# Allegro board P2597_B04_Allegro_layout.brd (continued)
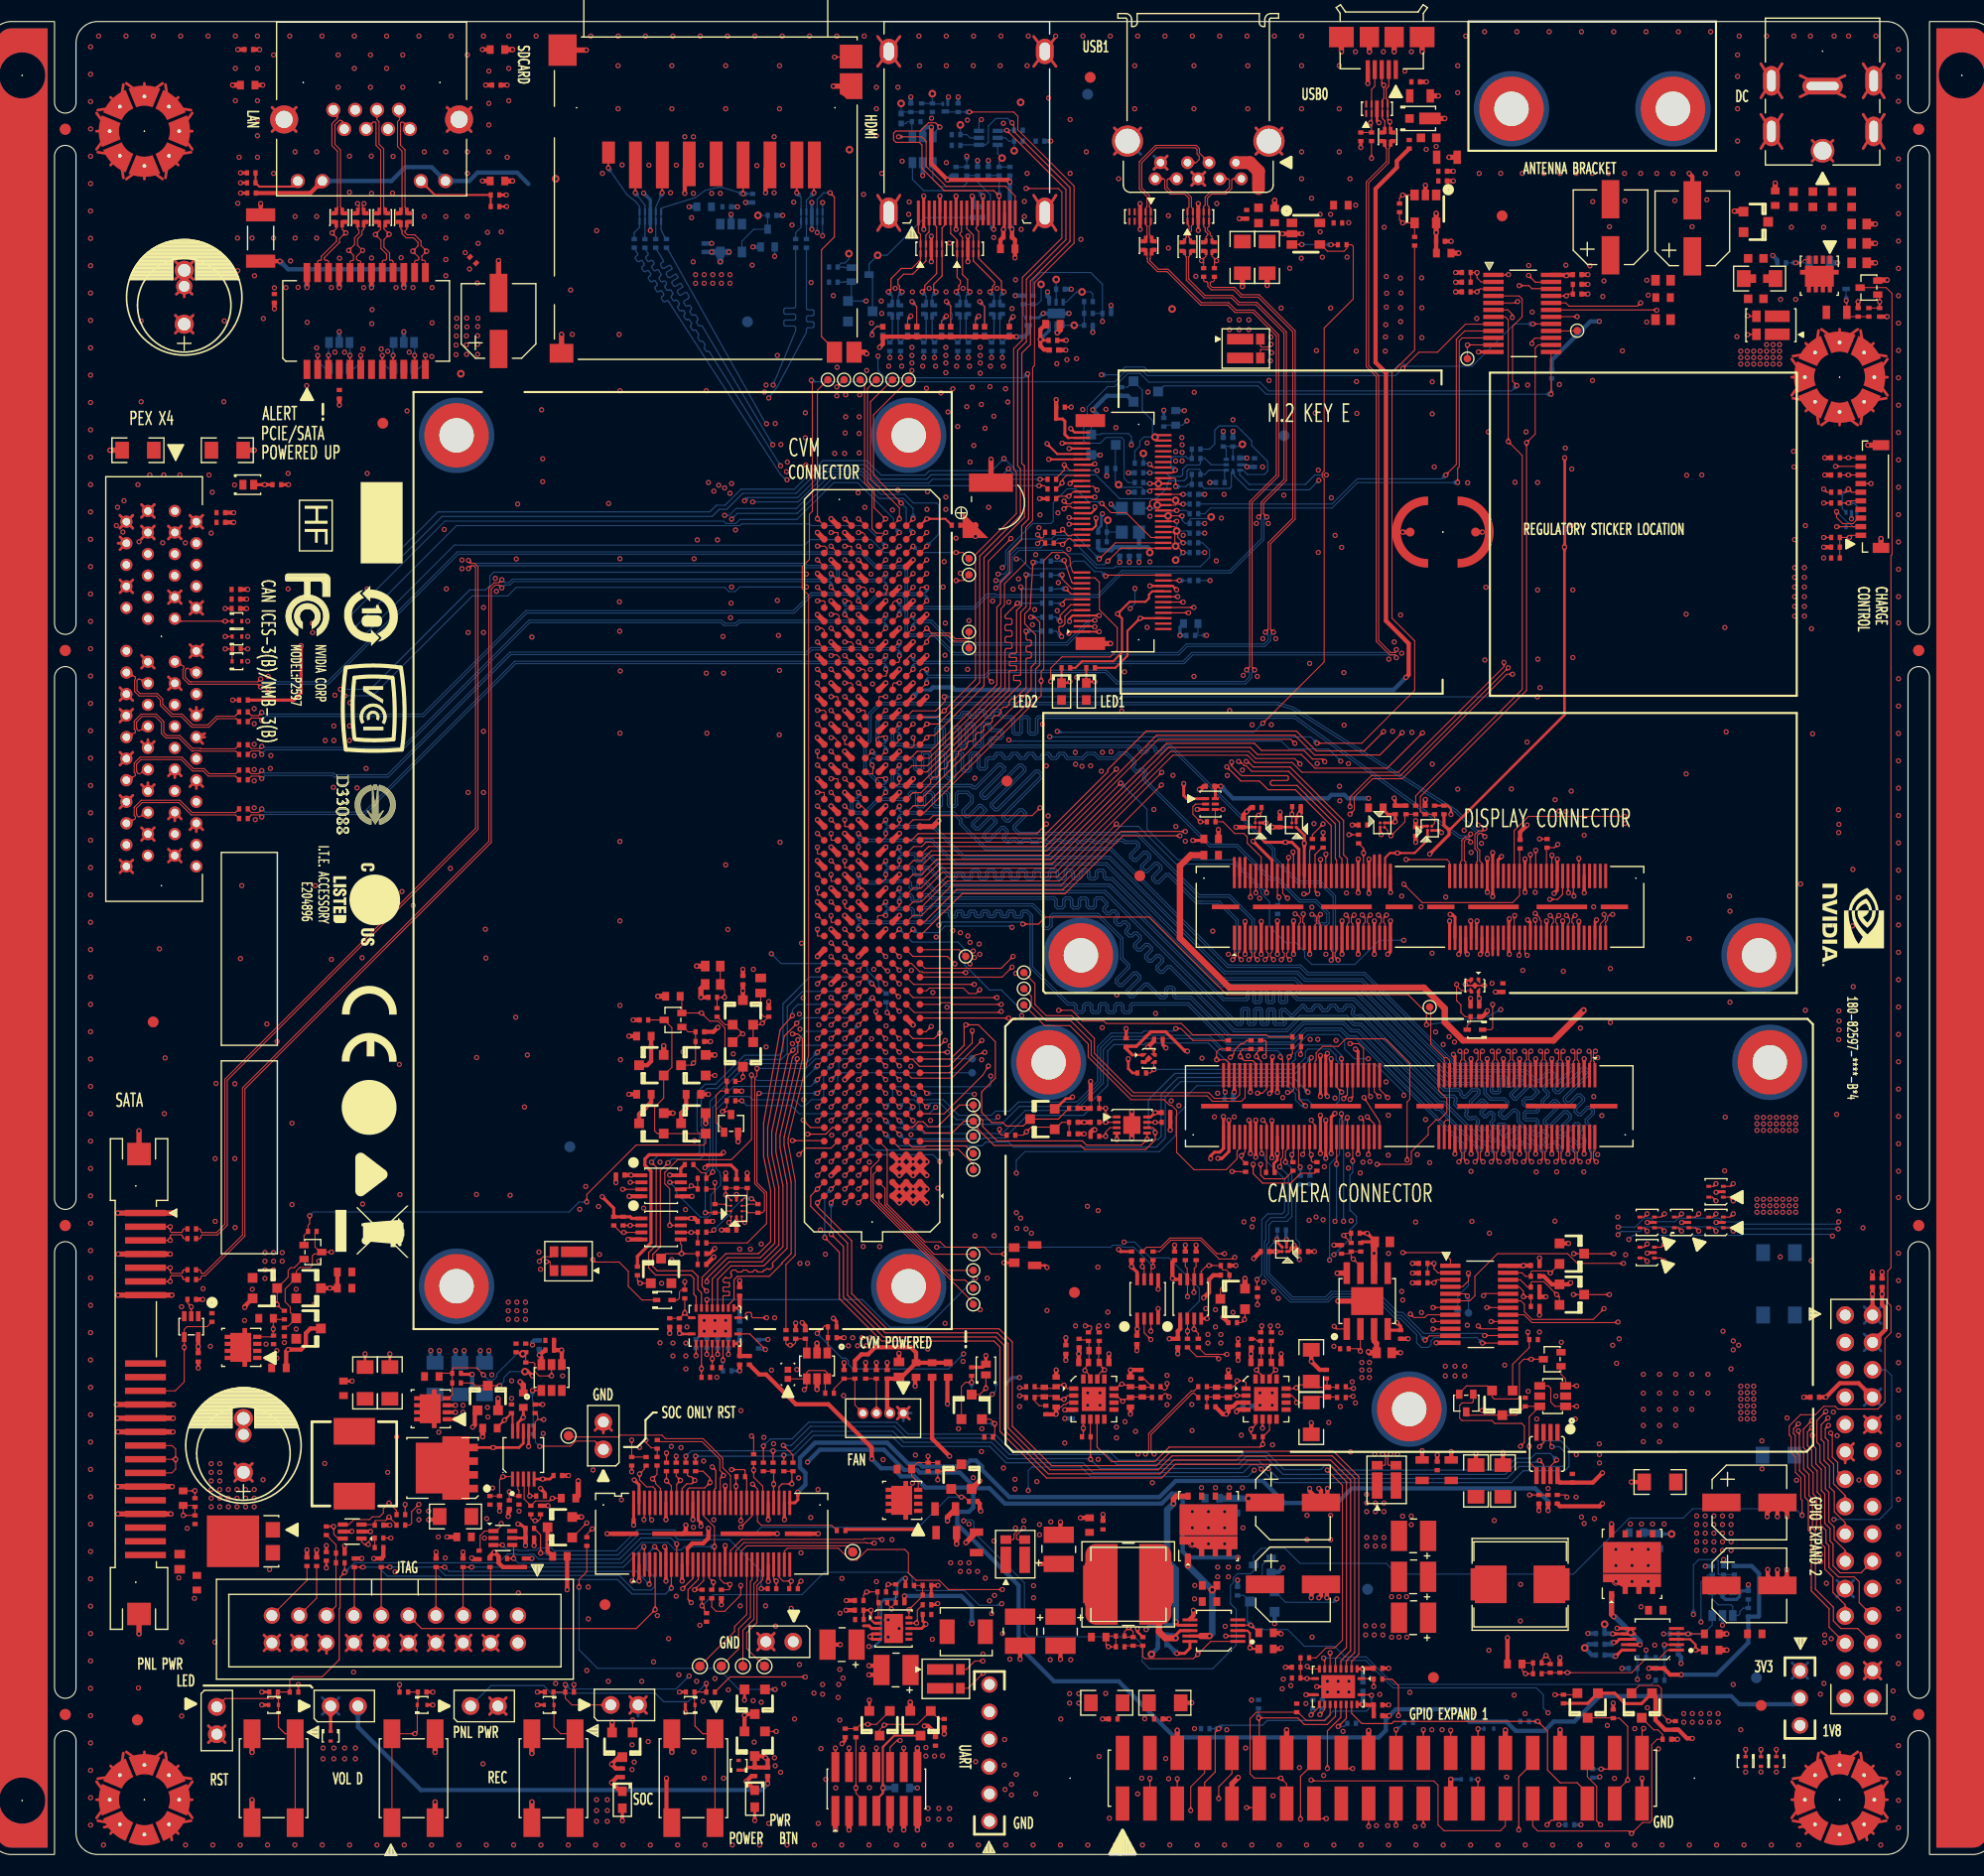
[diagram p0: board, top side]
## Placement (name value [footprint] x y rotation side) (continued)
R523  47k  [0402]  115.1 70.13 0 bottom
R524  1.8k  [0402]  114.3 127.38 0 bottom
R525  47k  [0402]  111.85 126.28 180 bottom
R526  0ohm  [0402]  111.85 125.38 0 bottom
R527  0ohm  [0402]  111.85 124.48 0 bottom
R528  0ohm  [0402]  111.85 123.58 0 bottom
R529  0ohm  [0402]  111.85 122.68 0 bottom
R530  0ohm  [0402]  111.85 121.78 0 bottom
R531  0ohm  [0402]  111.85 120.88 0 bottom
R532  0ohm  [0402]  111.85 118.28 0 bottom
R533  3.3ohm  [0603]  115.75 32.38 90 bottom
R534  200k  [0402]  114.57 131.13 270 bottom
R535  75k  [0402]  108.9 21.28 180 bottom
R536  1ohm  [0402]  108.9 19.48 180 bottom
R537  0ohm  [0402]  106.75 129.18 0 bottom
R538  1.8k  [0402]  106.75 128.28 0 bottom
R539  0ohm  [0402]  106.75 127.38 180 bottom
R540  0ohm  [0402]  106.75 126.48 180 bottom
R541  0ohm  [0402]  105.85 120.98 270 bottom
R542  0ohm  [0402]  104.95 120.98 270 bottom
R543  47k  [0402]  104.15 128.68 0 bottom
R544  100k  [0402]  103.75 143.08 0 bottom
R545  0ohm  [0402]  103.35 121.88 180 bottom
R546  47k  [0402]  102.75 133.08 180 bottom
R547  0ohm  [0402]  102.05 144.18 0 bottom
R548  4.7k  [0402]  102.05 143.08 180 bottom
R549  4.7k  [0402]  102.05 141.98 180 bottom
R550  88.7k  [0402]  99.45 145.33 0 bottom
R551  0ohm  [0402]  98.15 120.08 0 bottom
R552  0ohm  [0402]  98.15 118.78 0 bottom
R553  0ohm  [0402]  98.15 117.48 0 bottom
R554  0ohm  [0402]  98.15 116.18 0 bottom
R555  0ohm  [0402]  98.15 114.88 0 bottom
R556  0ohm  [0402]  98.15 113.58 0 bottom
R557  0ohm  [0402]  96.9 144.33 270 bottom
R558  0ohm  [0402]  96 144.33 270 bottom
R559  10k  [0402]  95.55 160.08 180 bottom
R560  0ohm  [0402]  95.55 159.08 180 bottom
R561  1.8k  [0402]  94.75 156.28 90 bottom
R562  499ohm  [0402]  94.7 141.53 270 bottom
R563  3.3ohm  [0402]  94.05 143.43 90 bottom
R564  0ohm  [0402]  93.75 156.28 270 bottom
R565  3.3ohm  [0402]  93.05 143.43 90 bottom
R566  499ohm  [0402]  92.4 141.53 270 bottom
R567  499ohm  [0402]  91.55 141.53 270 bottom
R568  5.6ohm  [0402]  90.9 143.43 90 bottom
R569  0ohm  [0402]  90.75 156.28 270 bottom
R570  10k  [0402]  89.95 162.18 270 bottom
R571  5.6ohm  [0402]  89.9 143.43 90 bottom
R572  0ohm  [0402]  89.75 159.68 0 bottom
R573  10k  [0402]  89.75 158.68 0 bottom
R574  1.8k  [0402]  89.75 156.28 90 bottom
R575  499ohm  [0402]  89.25 141.53 270 bottom
R576  499ohm  [0402]  88.4 141.53 270 bottom
R577  5.6ohm  [0402]  87.75 143.43 90 bottom
R578  100k  [0402]  87.55 162.18 270 bottom
R579  5.6ohm  [0402]  86.75 143.43 90 bottom
R580  100k  [0402]  86.55 162.18 90 bottom
R581  499ohm  [0402]  86.1 141.53 270 bottom
R582  499ohm  [0402]  85.25 141.53 270 bottom
R583  5.6ohm  [0402]  84.6 143.43 90 bottom
R584  5.6ohm  [0402]  83.6 143.43 90 bottom
R585  0ohm  [0402]  83.25 79.53 270 bottom
R586  499ohm  [0402]  82.95 141.53 270 bottom
R587  32.4k  [0402]  78.35 147.38 180 bottom
R588  162k  [0402]  78.35 145.98 0 bottom
R589  10ohm  [0402]  75.85 149.58 90 bottom
R590  10ohm  [0402]  74.85 149.58 90 bottom
R591  47k  [0402]  72.65 152.18 0 bottom
R592  0ohm  [0402]  69.65 49.08 270 bottom
R593  0ohm  [0402]  62.85 149.58 90 bottom
R594  10ohm  [0402]  61.85 149.58 90 bottom
R595  10ohm  [0402]  60.85 149.58 90 bottom
R596  10ohm  [0402]  59.85 149.58 90 bottom
R597  75ohm  [0402]  38.45 146.78 90 bottom
R598  75ohm  [0402]  35.45 146.78 90 bottom
R599  75ohm  [0402]  32.45 146.78 90 bottom
R600  75ohm  [0402]  29.45 146.78 90 bottom
R3238  1M  [0402]  67.5 45.2 0 top
RS1  0.007ohm  [1206]  43.25 31.38 180 top
S1  -  [SW_04_SMD_ST_1XONOFF_072X040]  26.35 7.08 270 top
S2  -  [SW_04_SMD_ST_1XONOFF_072X040]  39.35 7.08 90 top
S3  -  [SW_04_SMD_ST_1XONOFF_072X040]  52.35 7.08 270 top
S4  -  [SW_04_SMD_ST_1XONOFF_072X040]  65.35 7.08 270 top
T1  1:1  [XFMR_SMD_24_151X071]  34.95 142.38 0 top
TP2  -  [LTPT35C49P]  53.75 38.88 0 top
TP3  -  [LTPT35C49P]  65.95 17.48 0 top
TP4  -  [LTPT35C49P]  67.95 17.48 0 top
TP5  -  [LTPT35C49P]  69.95 17.48 0 top
TP6  -  [LTPT35C49P]  71.95 17.48 0 top
TP7  -  [LTPT28C49P]  77.84 136.92 0 top
TP8  -  [LTPT28C49P]  79.34 136.92 0 top
TP9  -  [LTPT35C49P]  80.15 28.08 0 top
TP10  -  [LTPT28C49P]  80.84 136.92 0 top
TP11  -  [LTPT28C49P]  82.34 136.92 0 top
TP12  -  [LTPT28C49P]  83.84 136.92 0 top
TP13  -  [LTPT28C49P]  85.34 136.92 0 top
TP14  -  [LTPT28C49P]  90.65 83.38 0 top
TP15  -  [LTPT28C49P]  90.95 120.31 0 top
TP16  -  [LTPT28C49P]  90.95 118.81 0 top
TP17  -  [LTPT28C49P]  90.95 113.52 0 top
TP18  -  [LTPT28C49P]  90.95 112.02 0 top
TP19  -  [LTPT28C49P]  91.35 69.58 0 top
TP20  -  [LTPT28C49P]  91.35 68.08 0 top
TP21  -  [LTPT28C49P]  91.35 66.68 0 top
TP22  -  [LTPT28C49P]  91.35 65.08 0 top
TP23  -  [LTPT28C49P]  91.35 63.58 0 top
TP24  -  [LTPT28C49P]  91.35 55.73 0 top
TP25  -  [LTPT28C49P]  91.35 54.23 0 top
TP26  -  [LTPT28C49P]  91.35 52.58 0 top
TP27  -  [LTPT28C49P]  91.35 51.08 0 top
TP28  -  [LTPT28C49P]  96.05 81.88 0 top
TP29  -  [LTPT28C49P]  96.05 80.38 0 top
TP30  -  [LTPT28C49P]  96.05 78.88 0 top
TP31  -  [LTPT28C49P]  133.75 78.68 0 top
TP32  -  [LTPT28C49P]  137.25 138.88 0 top
TP33  -  [LTPT28C49P]  147.45 141.48 0 top
TP501  -  [LTPT28C49P]  137.35 50.28 180 bottom
TP502  -  [LTPT28C49P]  136.35 50.58 180 bottom
TP503  -  [LTPT28C49P]  91.25 73.88 180 bottom
TP504  -  [LTPT28C49P]  91.25 72.58 180 bottom
U1  VAL  [SC70_5]  18.7 49 180 top
U2  -  [SC70_6]  33.65 29.98 90 top
U3  -  [SC70_6]  47.65 29.38 270 top
U4  1.275V  [XSOP10_P050_030X030]  49.55 37.08 0 top
U5  -  [XSOP08_P065_030X028]  62.35 62.08 270 top
U6  -  [XSOP08_P065_030X028]  62.35 58.08 270 top
U7  -  [QFN020R_P050_0045X0035_T031X021_VIAS]  67.35 49.08 180 top
U8  -  [BGA_0010_P050_013X020_MARK_A3]  69.35 59.98 0 top
U9  0.8V  [DFN10_P050_030X030_T027X018_VIAS]  83.95 20.98 270 top
U10  -  [QFN016Q_P065_0047_T022X022]  102.55 42.28 0 top
U11  -  [DFN08_P050_030X020_T016X016]  106.08 67.73 270 top
U12  -  [XSOP08_P065_030X028]  107.55 51.58 0 top
U13  0mV  [DFN04_P065_010X010_T005X005]  107.65 73.91 270 top
U14  -  [XSOP08_P065_030X028]  111.55 51.58 0 top
U15  -  [DFN06_P050_015X010_C]  113.38 97.53 270 top
U16  0.773V  [XSOP10_P050_030X030]  113.7 20.78 90 top
U17  -  [BGA_0004_P040_008X008]  117.75 95.58 180 top
U18  -  [QFN016Q_P065_0047_T022X022]  118.55 42.28 0 top
U19  -  [BGA_0004_P040_008X008]  120.25 56.18 180 top
U20  -  [BGA_0004_P040_008X008]  121.15 95.58 180 top
U21  VAL  [SOT23_5]  122.25 150.48 270 top
U22  -  [QFN020R_P050_0045X0035_T031X021_VIAS]  125.25 15.58 180 top
U23  [ ]  [SO08_048X038_T030X026]  127.95 51.38 0 top
U24  -  [BGA_0004_P040_008X008]  129.35 95.58 0 top
U25  VAL  [SOT23_5]  133.35 152.78 180 top
U26  -  [BGA_0004_P040_008X008]  133.75 95.28 90 top
U27  0mV  [DFN04_P065_010X010_T005X005]  137.95 80.68 180 top
U28  -  [XSOP24_P065_079X045]  138.35 51.08 270 top
U29  -  [XSOP24_P065_079X045]  142.35 143.08 270 top
U30  -  [XSOP08_P065_030X030]  144.65 37.18 180 top
U31  0.773V  [XSOP10_P050_030X030]  154.45 19.98 90 top
U32  -  [SOT23_6]  52.18 44.28 0 top
U501  -  [QFN008Q_P050_0016X0016]  115.47 129.03 180 bottom
U502  -  [DFN06_P065_020X020_T016X010_C]  99.05 143.08 0 bottom
U503  VAL  [SOT23_5]  68.85 150.08 0 bottom
Y501  32.768KHz  [XTAL_SMD_4_032X025]  105.95 123.88 90 bottom

## Library data of the parts
C1 C13 C165 = C: alternate symbols: (); part number: C_1206-22UF,X5R,10%,25V,039-0213-000; signal model: nv_cap; signal model: DEFAULT_CAPACITOR_2.2e+07pF_2_1
C2 C64 C166 C168 = C: alternate symbols: (0603_OLD); part number: C_0603W-10UF,X5R,20%,25V,032-0421-000; signal model: nv_cap
C3 C9 C32 C37 C167 = C: alternate symbols: (0603_OLD); part number: C_0603-0.1UF,X7R,10%,50V,036-0050-000; signal model: nv_cap
C4 C24 = C_POL: alternate symbols: (); part number: C_POL_COMBI_TH_D80_D100-330UF,AL-POLYMER,20%,16V@105DEGC,0.007OHM,[ ],6.1A@105DEGC,100KHZ,041-0065-000; signal model: nv_capp_3p
C5-C8 C204 C514 = C: alternate symbols: (1005,1005_BGA,1005_BGA_R,1005_OLD,0402_OLD); part number: C_0402-10NF,X7R,10%,25V,036-0019-000; signal model: nv_cap
C10-C12 C14-C23 C25 C26 C30 C39 C43-C45 C48 C51 C54-C56 C59 C61 C62 C66 C67 C73 C79 C80 C82 C92 C96 C98 C101-C104 C108 C136 C137 C151 C159 C160 C162 C175 C180 C181 C202 C203 C506 C507 C517-C519 C523-C526 C530 C531 = C: alternate symbols: (1005,1005_BGA,1005_BGA_R,1005_OLD,0402_OLD); part number: C_0402-0.1UF,X7R,10%,16V,036-0014-000; signal model: nv_cap
C27 = C: alternate symbols: (1005,1005_BGA,1005_BGA_R,1005_OLD,0402_OLD); part number: C_1808-1NF,X7R,10%,2000V,032-0166-000; signal model: nv_cap; signal model: DEFAULT_CAPACITOR_1000pF_2_1
C28 C36 C65 = C: alternate symbols: (0603_OLD); part number: C_0603-10NF,X7R,10%,25V,036-0042-000; signal model: nv_cap
C29 C50 = C: alternate symbols: (1005,1005_BGA,1005_BGA_R,1005_OLD,0402_OLD); part number: C_0402-1NF,X7R,10%,16V,036-0012-000; signal model: nv_cap
C31 = C: alternate symbols: (1005,1005_BGA,1005_BGA_R,1005_OLD,0402_OLD); part number: C_0402-10NF,X5R,10%,16V,039-0024-000; signal model: nv_cap; signal model: DEFAULT_CAPACITOR_10000pF_2_1
C33 C34 = C: alternate symbols: (); part number: C_1206-22UF,X5R,10%,16V,039-0158-000; signal model: nv_cap
C35 C46 = C: alternate symbols: (1005,1005_BGA,1005_BGA_R,1005_OLD,0402_OLD); part number: C_0402-1NF,X7R,10%,16V,036-0012-000; signal model: nv_cap; signal model: DEFAULT_CAPACITOR_1000pF_2_1
C38 C42 C49 = C: alternate symbols: (0603_OLD); part number: C_0603-1UF,X5R,10%,50V,039-0222-000; signal model: nv_cap
C40 = C_POL: alternate symbols: (); part number: C_POL_SMD_D60-330UF,AL-POLYMER,20%,6.3V@105DEGC,0.01OHM,[ ],3.9A@105DEGC,100KHZ,042-0138-000; signal model: nv_capp
C41 = C: alternate symbols: (1005,1005_BGA,1005_BGA_R,1005_OLD,0402_OLD); part number: C_0402-1NF,X5R,10%,16V,039-0023-000; signal model: nv_cap
C47 = C: alternate symbols: (0603_OLD); part number: C_0603-100PF,C0G,5%,50V,035-0040-000; signal model: nv_cap
C52 C53 C75 C177-C179 = C: alternate symbols: (0603_OLD); part number: C_0603W-10UF,X5R,20%,25V,032-0186-000; signal model: nv_cap
C57 = C_POL: alternate symbols: (); part number: C_POL_SMD_3528-33UF,TA-POLYMER,20%,16V@105DEGC,0.045OHM,0PH,1.291A@-3.1DEGC,[ ],032-0468-000; signal model: nv_capp
C58 C60 = C: alternate symbols: (1005,1005_BGA,1005_BGA_R,1005_OLD,0402_OLD); part number: C_0402-10PF,C0G,5%,50V,035-0011-000; signal model: nv_cap
C63 C76 C85 C86 C142-C144 = C_POL: alternate symbols: (); part number: C_POL_SMD_3528-220UF,TA-POLYMER,20%,6.3V@105DEGC,0.045OHM,[ ],1.7A@45DEGC,100KHZ,041-0177-000; signal model: nv_capp
C68 C90 C105 C109 C115 C131 C149 C150 C502 C504 C510 C512 C513 C515 C533 = C: alternate symbols: (1005,1005_BGA,1005_BGA_R,1005_OLD,0402_OLD); part number: C_0402-0.1UF,X7R,10%,16V,036-0014-000; signal model: nv_cap; signal model: DEFAULT_CAPACITOR_100000pF_2_1
C69-C71 C148 C154 = C: alternate symbols: (); part number: C_0805LP-22UF,X5R,20%,16V,032-0195-000; signal model: nv_cap
C72 = C_POL: alternate symbols: (); part number: C_POL_SMD_D48-80000UF,SUPERCAP,-1%,3.3V@60DEGC,100OHM,[ ],[ ]@105DEGC,[ ],060-0002-000; signal model: nv_capp
C74 = C: alternate symbols: (0603_OLD); part number: C_0603-10UF,X5R,20%,6.3V,039-0135-000; signal model: nv_cap
C77 = C: alternate symbols: (); part number: C_0805-22UF,X5R,20%,35V,032-0213-000; signal model: nv_cap
C78 C89 C99 = C: alternate symbols: (); part number: C_0402W-4.7UF,X5R,20%,4V,039-0145-000; signal model: nv_cap; signal model: DEFAULT_CAPACITOR_4.7e+06pF_2_1
C81 C120 C171 = C: alternate symbols: (0603_OLD); part number: C_0603-4.7UF,X5R,10%,6.3V,039-0037-000; signal model: nv_cap
C83 C84 C94 = C: alternate symbols: (); part number: C_0402W-4.7UF,X5R,20%,6.3V,039-0188-000; signal model: nv_cap
C87 C91 C95 C111 C112 C116 C123 = C: alternate symbols: (); part number: C_0402W-4.7UF,X5R,20%,6.3V,039-0188-000; signal model: nv_cap; signal model: DEFAULT_CAPACITOR_100000pF_2_1
C88 C106 C107 C119 C163 C164 C170 C529 = C: alternate symbols: (0603_OLD); part number: C_0603-1UF,X5R,10%,50V,039-0222-000; signal model: nv_cap; signal model: DEFAULT_CAPACITOR_1e+06pF_2_1
C93 C100 C117 C128 C141 C155 C157 = C: alternate symbols: (1005,1005_BGA,1005_BGA_R,1005_OLD,0402_OLD); part number: C_0402-1UF,X5R,10%,6.3V,039-0008-000; signal model: nv_cap
C97 C133 C161 = C: alternate symbols: (1005,1005_BGA,1005_BGA_R,1005_OLD,0402_OLD); part number: C_0402-150PF,C0G,5%,50V,035-0018-000; signal model: nv_cap
C110 C118 C132 = C: alternate symbols: (); part number: C_0402W-4.7UF,X5R,20%,4V,039-0145-000; signal model: nv_cap; signal model: DEFAULT_CAPACITOR_1e+06pF_2_1
C113 C121 C156 C158 = C: alternate symbols: (); part number: C_1206-100UF,X5R,20%,6.3V,039-0148-000; signal model: nv_cap; signal model: DEFAULT_CAPACITOR_1e+08pF_2_1
C114 C124 C135 C140 C146 C535 = C: alternate symbols: (1005,1005_BGA,1005_BGA_R,1005_OLD,0402_OLD); part number: C_0402-1UF,X5R,10%,6.3V,039-0008-000; signal model: nv_cap; signal model: DEFAULT_CAPACITOR_1e+06pF_2_1
C122 = C: alternate symbols: (0603_OLD); part number: C_0603-470PF,C0G,5%,50V,035-0056-000; signal model: nv_cap; signal model: DEFAULT_CAPACITOR_470pF_2_1
C125 C126 C169 C172 C173 C200 = C_POL: alternate symbols: (); part number: C_POL_SMD_D60-56UF,ALE,20%,25V@105DEGC,0.03OHM,9.999UH,2.8A@105DEGC,100KHZ,032-0240-000; signal model: nv_capp
C127 C152 = C: alternate symbols: (0603_OLD); part number: C_0603-4.7UF,X5R,10%,6.3V,039-0037-000; signal model: nv_cap; signal model: DEFAULT_CAPACITOR_4.7e+06pF_2_1
C129 C130 = C: alternate symbols: (); part number: C_1206-4.7UF,X5R,10%,25V,039-0093-000; signal model: nv_cap
C134 C205 = C: alternate symbols: (1005,1005_BGA,1005_BGA_R,1005_OLD,0402_OLD); part number: C_0402-100PF,C0G,5%,50V,035-0012-000; signal model: nv_cap
C138 C139 = C: alternate symbols: (0603_OLD); part number: C_0603W-22UF,X5R,20%,6.3V,039-0223-000; signal model: nv_cap
C145 = C: alternate symbols: (1005,1005_BGA,1005_BGA_R,1005_OLD,0402_OLD); part number: C_0402-10NF,X7R,10%,25V,036-0019-000; signal model: nv_cap; signal model: DEFAULT_CAPACITOR_10000pF_2_1
C147 = C: alternate symbols: (); part number: C_0805-4.7UF,X7R,10%,10V,036-0128-000; signal model: nv_cap
C153 = C: alternate symbols: (); part number: C_0805-1UF,X7R,10%,25V,036-0117-000; signal model: nv_cap
C174 = C: alternate symbols: (0603_OLD); part number: C_0603-0.1UF,X7R,10%,25V,036-0043-000; signal model: nv_cap; signal model: DEFAULT_CAPACITOR_100000pF_2_1
C176 = C: alternate symbols: (); part number: C_0805-0.47UF,X7R,10%,50V,036-0129-000; signal model: nv_cap
C201 = C: alternate symbols: (0603_OLD); part number: C_0603W-4.7UF,X5R,10%,35V,032-0193-000; signal model: nv_cap
C501 = C: alternate symbols: (); part number: C_0805-4.7UF,X5R,10%,25V,039-0205-000; signal model: nv_cap; signal model: DEFAULT_CAPACITOR_4.7e+06pF_2_1
C503 C508 = C: alternate symbols: (0603_OLD); part number: C_0603-680PF,C0G,5%,50V,035-0060-000; signal model: nv_cap
C505 C516 = C: alternate symbols: (1005,1005_BGA,1005_BGA_R,1005_OLD,0402_OLD); part number: C_0402-0.1UF,X5R,10%,6.3V,039-0007-000; signal model: nv_cap; signal model: DEFAULT_CAPACITOR_100000pF_2_1
C509 C511 C534 = C: alternate symbols: (0603_OLD); part number: C_0603-10UF,X5R,20%,6.3V,039-0135-000; signal model: nv_cap; signal model: DEFAULT_CAPACITOR_1e+07pF_2_1
C520 C521 = C: alternate symbols: (1005,1005_BGA,1005_BGA_R,1005_OLD,0402_OLD); part number: C_0402-4.7PF,C0G,0.25PF,50V,035-0031-000; signal model: nv_cap
C522 C527 C528 = C: alternate symbols: (1005,1005_BGA,1005_BGA_R,1005_OLD,0402_OLD); part number: C_0402-12PF,C0G,5%,50V,035-0014-000; signal model: nv_cap
C532 = C: alternate symbols: (1005,1005_BGA,1005_BGA_R,1005_OLD,0402_OLD); part number: C_0402-12PF,C0G,5%,50V,035-0014-000; signal model: nv_cap; signal model: DEFAULT_CAPACITOR_12pF_2_1
C536-C538 = C: alternate symbols: (); part number: C_1206-100UF,X5R,20%,6.3V,039-0148-000; signal model: nv_cap
CR1-CR4 = LED: alternate symbols: (); part number: LED_0603-LED_SMD_0603,5V,60MA,2.35V,25MA,GREEN,092-0073-000
CR5 CR6 = LED: alternate symbols: (); part number: LED_0402-LTST-C281KRKT-5A,5V,80MA,2.3V,30MA,RED,092-0090-000
CR501 = D_3PIN_CC: alternate symbols: (); part number: D_3PIN_CC_SOT323-BAS70W-05,1 PAIR - COMMON CATHODE,70V,0.1A,1V@0.1A,70MA,091-0023-000
D1 = D_SCHOTTKY_3PIN_AA: alternate symbols: (); part number: D_SCHOTTKY_3PIN_AA_SMPC-TO277A,1 PAIR - COMMON CATHODE,100V,150A,0.88V@5A,5A,090-0043-000
D2-D4 D6 D14 D15 D19-D21 D27 D30 = D_ESD: alternate symbols: (); part number: D_ESD_SOD923-ESD9X5.0ST5G,1 LINE,UNI-DIRECTIONAL,5V,1UA,6.2V,12.3V@8.7A,65PF,090-0134-000
D5 D18 = D_3PIN_CC: alternate symbols: (); part number: D_3PIN_CC_SOT323-BAT54CW,1 PAIR - COMMON CATHODE,30V,0.6A,1V@0.1A,0.2A,091-0022-000
D7 = D_3PIN_AA: alternate symbols: (); part number: D_3PIN_AA_SOT23-BAT54ALT1,1 PAIR - COMMON ANODE,30V,0.6A,0.8V@0.1A,0.2A,091-0004-000
D8 D10 D501 D502 = D_ESD_DIFFPAIR: alternate symbols: (); part number: D_ESD_DIFFPAIR_DUAL-AZ1045-04F,2 DIFFPAIR,UNI-DIRECTIONAL,5V,1.5UA,6V,12V@3.5A,0.65PF,091-0054-000
D9 D504 D505 = D_ESD_DIFFPAIR: alternate symbols: (); part number: D_ESD_DIFFPAIR_DUAL-TPD4E05U06,2 DIFFPAIR,UNI-DIRECTIONAL,5.5V,10UA,6V,10V@1A,0.5PF,090-0231-000
D11 = D_ESD: alternate symbols: (); part number: D_ESD_MICROSMP-MSP5.0A-M3/89A,1 LINE,UNI-DIRECTIONAL,5V,100UA,6.4V,9.2V@16.3A,9.999NF,090-0233-000
D12 D16 D31 = D_SCHOTTKY: alternate symbols: (); part number: D_SCHOTTKY_SOD523-RB521S30T1G,SINGLE,30V,1A,0.5V@0.2A,0.2A,090-0102-000
D13 = D_ZENER: alternate symbols: (); part number: D_ZENER_SOT23-BZX84C24LT1G,25.6V,[ ],0.9V@10MA,[ ],090-0178-000
D17 = D_ESD: alternate symbols: (); part number: D_ESD_NORM-AOZ8231ADI-12,1 LINE,BI-DIRECTIONAL,12V,0.1UA,13V,20V@1A,14PF,090-0150-000
D22-D26 D34 = D_ESD: alternate symbols: (); part number: D_ESD_SOT553-NZQA6V8AXV5T1G,4 LINE,UNI-DIRECTIONAL,4.3V,1UA,6.47V,13V@1.6A,9.5PF,091-0083-000
D28 D29 D32 D33 = D_ESD: alternate symbols: (); part number: D_ESD_SOD923-ESD7951ST5G,1 LINE,BI-DIRECTIONAL,5V,1UA,5.4V,12.9V@1A,0.9PF,091-0074-000
D503 D506 D507 = D_ESD_DIFFPAIR: alternate symbols: (); part number: D_ESD_DIFFPAIR_SOT23_6-AZC199-04S,2 DIFFPAIR,UNI-DIRECTIONAL,5V,1UA,6V,11V@6A,1.7PF,091-0053-000
F1-F5 = R: alternate symbols: (); part number: R_1206-0OHM,0.05 OHM,0.25W,195-1635-000; signal model: nv_res
J1 = CON_SATA: alternate symbols: (); part number: CON_SATA_SMT22_2GND-1735284-4,RECEPTACLE,1.27MM,0,YES,YES,NO,NO,NO,NA,NA,080-1347-000
J2 = CON_PCI_EXPRESS: alternate symbols: (); part number: CON_PCI_EXPRESS_PHY-X4-CON_PCIEXP_X4_MB,FEMALE,1MM,0,YES,YES,NO,NO,NO,50V,1.1A,065-0362-000
J3 J4 J6 J8 J9 J11 = HDR_1X2: alternate symbols: (); part number: HDR_1X2_NORM-HDR_1M2,MALE,2.54MM,0,NO,NO,NO,250V,3A,074-0117-000
J5 = CON_RJ45: alternate symbols: (); part number: CON_RJ45_TH_RA_SHLD-CON_RJ45_LED,FEMALE,40MIL,90,NO,YES,YES,YES,YES,N/A,N/A,065-0014-000
J7 = HDR_2X10: alternate symbols: (); part number: HDR_2X10_SHR_JTAG1-HDR_2X10,MALE,2.54MM,0,N/A,YES,NO,1000 V,3 A,074-0152-000
J10 = CON_B2B_60: alternate symbols: (); part number: CON_B2B_60_F_NORM-QSH-030-01-L-D-A-K-TR,FEMALE,0.5MM,0,YES,YES,NO,NO,N/A,125.0 V,1.0 A,080-1344-000
J12 = CON_SD_SOCKET: alternate symbols: (); part number: CON_SD_SOCKET_PUSH_IN_OUT-SD_SOCKET,N/A,N/A,90,YES,N/A,N/A,YES,YES,250VAC,0.5A,220-0030-000
J13 = CON_CVM: part number: CON_CVM_CVM10_CAR-CON_CVB_1_0,MALE,1.27MM,90,N/A,YES,N/A,NO,NO,240V,1.8A,080-1276-000
J14 = HDR_2X7: alternate symbols: (); part number: HDR_2X7_NORM-FTSH-107-01-L-DV-K-P-TR,MALE,1.27MM,0,YES,YES,NO,350.0 V,1.75 A,080-1345-000
J15 = CON_B2W_1X4: alternate symbols: (); part number: CON_B2W_1X4_TH-50275-00471-003,MALE,1.25MM,0,YES,YES,NO,NO,N/A,NA,NA,064-0267-000
J16 = CON_HDMI: alternate symbols: (); part number: CON_HDMI_HDMI_A_LONG-CON_HDMI_A-LONG,FEMALE,0.5MM,90,YES,N/A,N/A,YES,YES,N/A,N/A,080-0420-000
J17 = HDR_1X6: alternate symbols: (); part number: HDR_1X6_NORM-HDR_1X6,MALE,2.54MM,0,YES,NO,NO,450V,3.0A,074-0050-000
J18 = 2199230_4: alternate symbols: (); part number: 2199230_4_SMD67_KEYE-2199230_4,FEMALE,0.5MM,90,YES,NO,NO,NO,NO,300.0 V,0.5 A,080-1243-000
J19 = CON_USB3: alternate symbols: (); part number: CON_USB3_TYPEA_11PIN-UEA11123-4HK1-4H,FEMALE,2MM,90,YES,NO,YES,NO,YES,5V,0.5A,065-0399-000
J20 = CON_USB: alternate symbols: (); part number: CON_USB_MICRO_AB_SMD5-PUBGT0-05FLBS1NN4H0,RECEPTACLE,0.65MM,90,YES,YES,NO,NO,YES,100.0 V,1.8 A,080-1264-000
J21 = HDR_2X20: alternate symbols: (); part number: HDR_2X20_TSM40-TSM-120-01-S-DV-P-TR,MALE,2.54MM,0,YES,NO,NO,NA,NA,080-1348-000
J22 J23 = CON_B2B_120: alternate symbols: (); part number: CON_B2B_120_F_NORM-CON_QSH_SMT_2X60_P050,FEMALE,0.5MM,0,YES,YES,NO,NO,NO,NA,NA,080-1346-000
J24 = HDR_1X3: alternate symbols: (); part number: HDR_1X3_NORM-HDR_1X3,MALE,2.54MM,0,YES,NO,NO,500V,3A,074-0011-000
J25 = CON_PWR_JACK: alternate symbols: (); part number: CON_PWR_JACK_CON_6PIN-2DC-G213-B51,FEMALE,4.7MM,90,YES,NO,YES,NO,NO,20V,10A,065-0400-000
J26 = HDR_2X15: alternate symbols: (); part number: HDR_2X15_NORM-HDR_2M15,MALE,2.54MM,0,NO,NO,NO,500V,3A,074-0110-000
J27 = HDR_1X10: alternate symbols: (); part number: HDR_1X10_MNT2-50208-01001-001,RECEPTACLE,0.8MM,90,YES,N/A,NO,N/A,N/A,080-0791-000
L1 L3-L5 L10 L13 = L_CMF_4P: alternate symbols: (); part number: L_CMF_4P_SMDA_012X010-90OHM,[ ],25%,0.2A,0.4OHM,[ ],102-0037-000; signal model: nv_ind_cmf_4p
L2 = L: alternate symbols: (); part number: L_7_6X7_6-2.2UH,ALLOY CORE,20%,10A,10A,0.0132OHM,[ ]@[ ],[ ],0DECIBEL,130-0436-000; signal model: nv_ind
L6 = L: alternate symbols: (); part number: L_SMD_045_041-1UH,[ ],20%,5A,8.5A,0.027OHM,[ ]@[ ],[ ],[ ],131-0832-000; signal model: nv_ind
L7 L16 = L: alternate symbols: (); part number: L_SMD_073X066-1UH,CARBONYL POWDER,20%,11A,22A,0.01OHM,[ ]@[ ],[ ],[ ],130-0776-000; signal model: nv_ind
L8 = L: alternate symbols: (); part number: L_SMD_6X6-2.2UH,[ ],20%,8A,16A,0.0136OHM,[ ]@[ ],[ ],[ ],131-0352-000; signal model: nv_ind
L9 = L: alternate symbols: (); part number: L_SMD_8X7-2.2UH,[ ],20%,6A,8A,0.018OHM,[ ]@[ ],[ ],[ ],131-0604-000; signal model: nv_ind; signal model: DEFAULT_INDUCTOR_2200nH_2_1
L11 L12 = L_CMF_4P: alternate symbols: (); part number: L_CMF_4P_SMDB_012X010-80OHM,FERRITE,25%,0.1A,1.5OHM,DLP11TB800UL2,102-0023-000; signal model: nv_ind_cmf_4p_0504
L15 = L: alternate symbols: (); part number: L_SMD_9X8-1UH,[ ],20%,13A,15A,0.0043OHM,[ ]@[ ],[ ],[ ],131-0653-000; signal model: nv_ind
L501 L503 L504 L506 = L_CMF_4P: alternate symbols: (); part number: L_CMF_4P_SMDA_012X010-12OHM,[ ],[ ],0.1A,0.7OHM,[ ],102-0015-000; signal model: nv_ind_cmf_4p
L502 L505 = L: alternate symbols: (); part number: L_0402-1NH,[ ],30%,[ ],0.3A,0.12OHM,8@-1MHZ,10GHZ,[ ],130-0074-000; signal model: nv_ind
LB1-LB8 = L: alternate symbols: (); part number: L_BEAD_0402-600OHM,FERRITE,25%,0.5A,0.5A,0.39OHM,[ ],N/A,N/A,100-0183-000; signal model: nv_ind_noxnet
LB9 = L: alternate symbols: (); part number: L_BEAD_0402-30OHM,FERRITE,25%,[ ],2A,0.1OHM,[ ],N/A,N/A,100-0165-000; signal model: nv_ind_noxnet
LB10 LB11 = L: alternate symbols: (); part number: L_BEAD_0603-220OHM,FERRITE,25%,[ ],2.5A,0.05OHM,[ ],N/A,N/A,100-0160-000; signal model: nv_ind_noxnet
LB12-LB18 = L: alternate symbols: (); part number: L_BEAD_0603-30OHM,FERRITE,33.33%,[ ],5A,0.01OHM,[ ],N/A,N/A,100-0026-000; signal model: nv_ind_noxnet
MEC1 MEC2 MEC13 MEC14 = MOUNTING_HOLE: part number: MOUNTING_HOLE_BRDMNT-MB_MOUNTING_HOLE
MEC3-MEC6 = MOUNTING_HOLE: part number: MOUNTING_HOLE_X1-P1963_MOUNTING_HOLE_3.2
MEC7-MEC9 MEC11 MEC12 MEC15 MEC16 = MOUNTING_HOLE: part number: MOUNTING_HOLE_X1-MECH_MOD_HOLES
MEC10 = MEC_STANDOFF2: part number: MEC_STANDOFF2_SMD-STANDOFF_M3.0X3.0MM,320-0965-000
Q1 Q3 Q30 = Q_FET_P_ENH: alternate symbols: (); part number: Q_FET_P_ENH_DFN3X3-MDV3604URH,-30V,-1000MOHM@10V / -1000MOHM@4.5V / -1000MOHM@2.5V,-12.6A,-32A,25V,3.4W,[ ]@10V / [ ]@4.5V / [ ]@2.5V,300-0712-000
Q2 Q5 Q7 Q10 Q15 Q16 Q21 Q22 Q24-Q28 Q33 Q37 Q39 Q503 Q504 Q508 = Q_FET_N_ENH: alternate symbols: (); part number: Q_FET_N_ENH_SOT23_1G1D1S-FDV301N,25V,-1000MOHM@10V / 4000MOHM@4.5V / -1000MOHM@2.5V,0.22A,0.5A,8V,0.35W,[ ]@10V / [ ]@4.5V / [ ]@2.5V,300-0494-000
Q4 = Q_FET_N_ENH: alternate symbols: (); part number: Q_FET_N_ENH_LFPAK-CSD17506Q5A,30V,4.1MOHM@10V / 5.4MOHM@4.5V / -1000MOHM@2.5V,24A,155A,20V,3.2W,[ ]@10V / [ ]@4.5V / [ ]@2.5V,300-0608-000
Q6 Q8 Q9 Q11 Q12 Q34 Q35 = Q_FET_N_ENH: alternate symbols: (); part number: Q_FET_N_ENH_SOT23_1G1D1S-NTR4003NT1G,30V,-1000MOHM@10V / 1500MOHM@4.5V / -1000MOHM@2.5V,[ ],1.7A,20V,0.83W,[ ]@10V / [ ]@4.5V / [ ]@2.5V,300-0381-000
Q13 Q31 Q36 Q40 Q502 Q509 = Q_FET_N_ENH: alternate symbols: (); part number: Q_FET_N_ENH_SOT323_1G1D1S-NTS4001NT1G,30V,1500MOHM@10V / 1500MOHM@4.5V / 1500MOHM@2.5V,0.27A,0.8A,20V,0.33W,[ ]@10V / [ ]@4.5V / [ ]@2.5V,300-0485-000
Q14 = Q_PNP: alternate symbols: (); part number: Q_PNP_SOT23_1B1C1E-MMBT4403,40V,[ ],0.6A,0.6A,5V,0.225W,305-0002-000
Q17 Q38 Q501 = Q_FET_N_ENH: alternate symbols: (); part number: Q_FET_N_ENH_SOT23_6D_1G1D1S-AO6800,30V,-1000MOHM@10V / 75MOHM@4.5V / 115MOHM@2.5V,3.4A,20A,12V,1.15W,[ ]@10V / [ ]@4.5V / [ ]@2.5V,300-0634-000
Q18 Q32 = Q_NPN: alternate symbols: (); part number: Q_NPN_SOT23_1B1C1E-MMBT2222ALT1,40V,[ ],0.6A,[ ],6V,0.3W,305-0008-000